# KiCad board Panel-DIY305.kicad_pcb (continued)
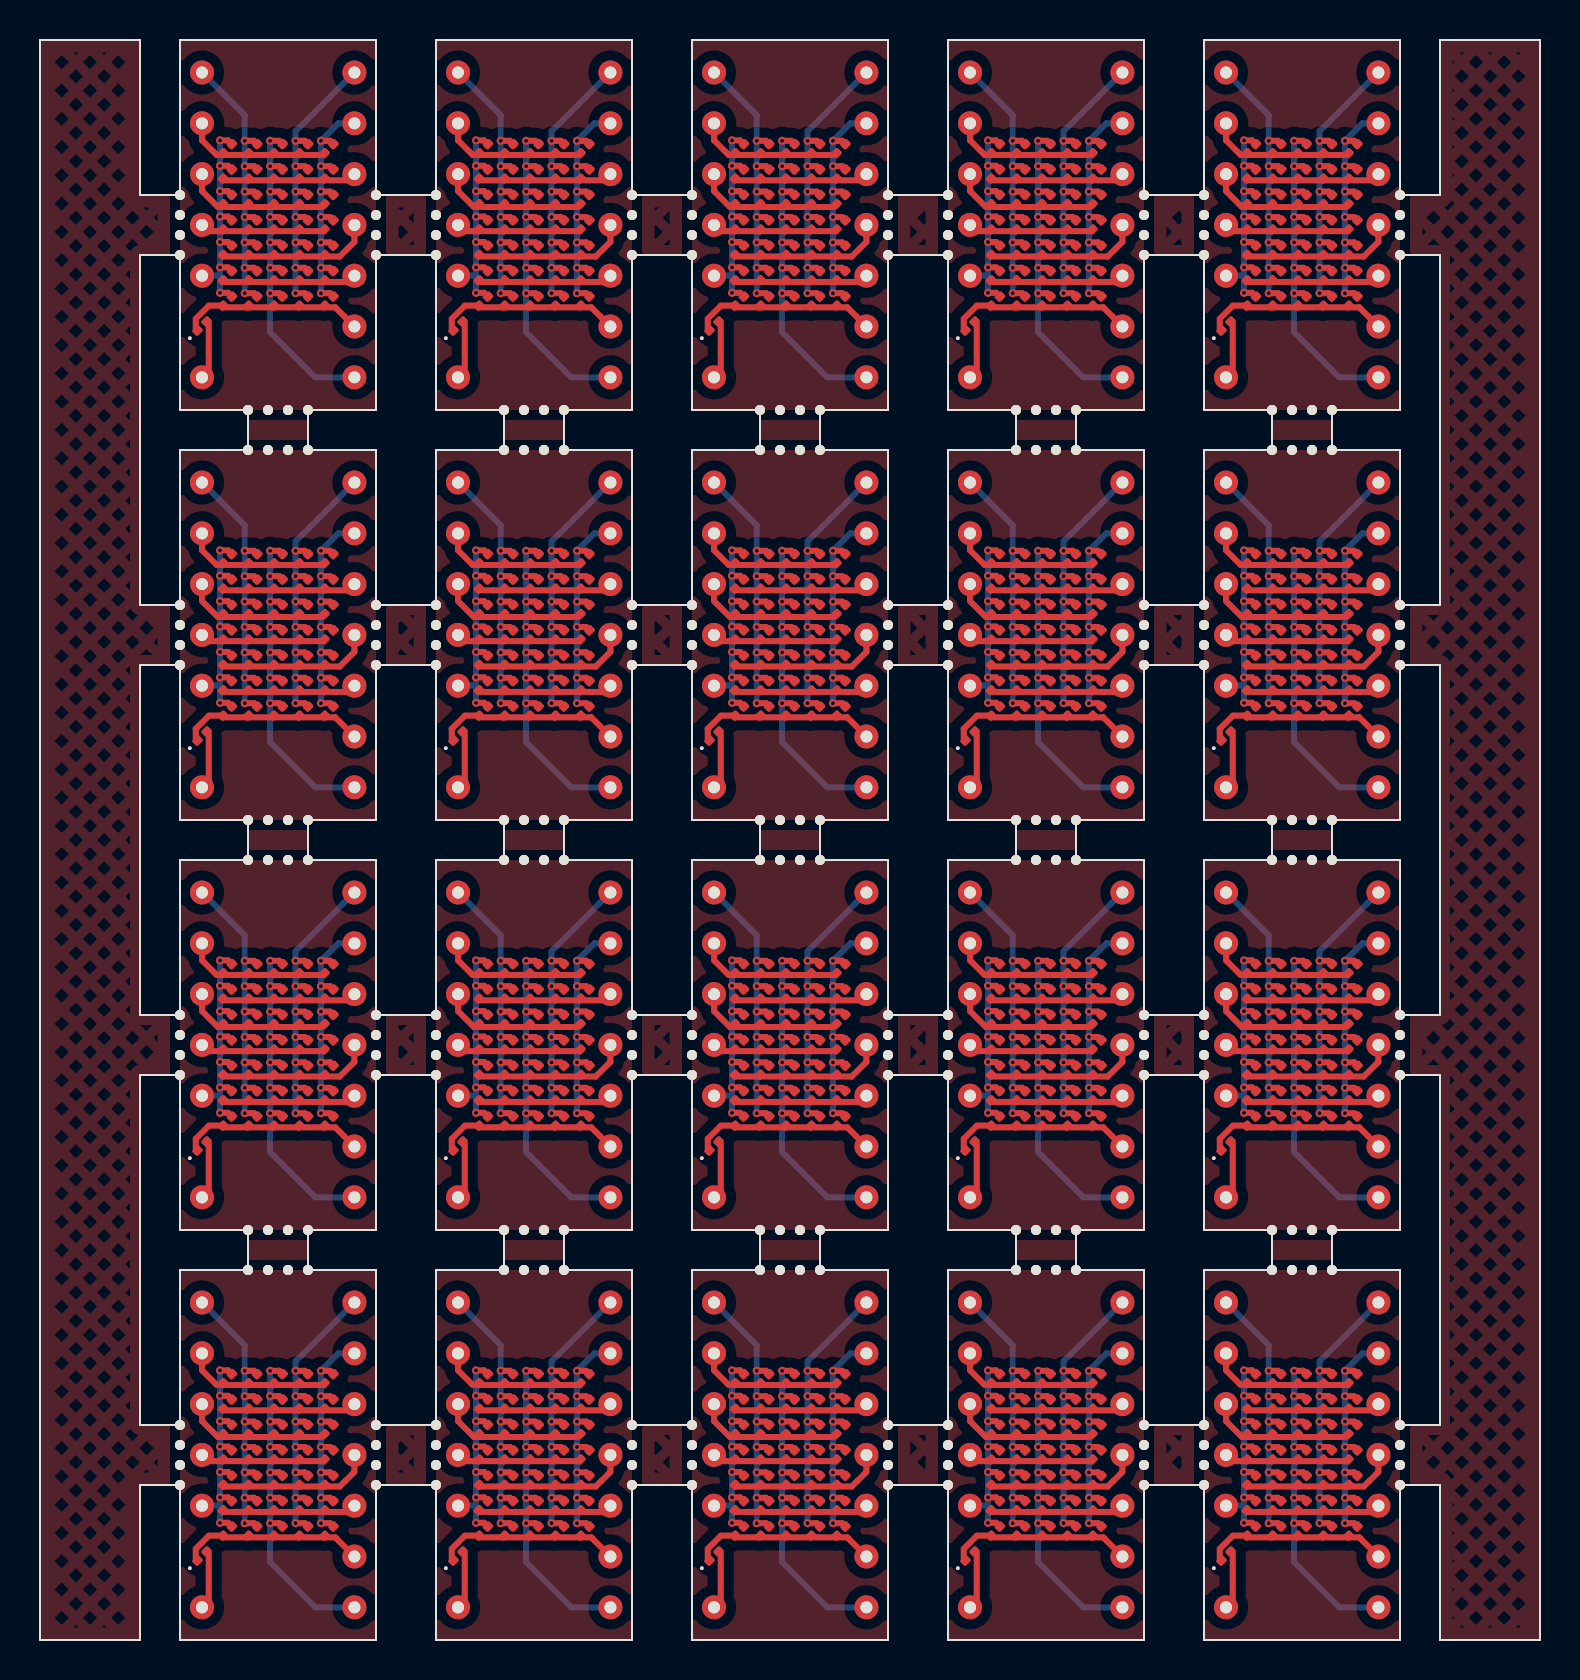
[diagram p0: board, top side]
## Placement (name value [footprint] x y rotation side) (continued)
D16#19  LED  [LED_0201_0603Metric]  24.71 52.8 45 top
D16#20  LED  [LED_0201_0603Metric]  63.11 52.8 45 top
D17  LED  [LED_0201_0603Metric]  37.51 10.53 45 top
D17#2  LED  [LED_0201_0603Metric]  11.91 51.52 45 top
D17#3  LED  [LED_0201_0603Metric]  63.11 31.03 45 top
D17#4  LED  [LED_0201_0603Metric]  24.71 51.52 45 top
D17#5  LED  [LED_0201_0603Metric]  24.71 10.53 45 top
D17#6  LED  [LED_0201_0603Metric]  24.71 72.03 45 top
D17#7  LED  [LED_0201_0603Metric]  50.31 72.03 45 top
D17#8  LED  [LED_0201_0603Metric]  50.31 10.53 45 top
D17#9  LED  [LED_0201_0603Metric]  11.91 10.53 45 top
D17#10  LED  [LED_0201_0603Metric]  37.51 51.52 45 top
D17#11  LED  [LED_0201_0603Metric]  11.91 72.03 45 top
D17#12  LED  [LED_0201_0603Metric]  63.11 10.53 45 top
D17#13  LED  [LED_0201_0603Metric]  63.11 51.52 45 top
D17#14  LED  [LED_0201_0603Metric]  37.51 72.03 45 top
D17#15  LED  [LED_0201_0603Metric]  50.31 31.03 45 top
D17#16  LED  [LED_0201_0603Metric]  24.71 31.03 45 top
D17#17  LED  [LED_0201_0603Metric]  11.91 31.03 45 top
D17#18  LED  [LED_0201_0603Metric]  50.31 51.52 45 top
D17#19  LED  [LED_0201_0603Metric]  37.51 31.03 45 top
D17#20  LED  [LED_0201_0603Metric]  63.11 72.03 45 top
D18  LED  [LED_0201_0603Metric]  37.51 9.25 45 top
D18#2  LED  [LED_0201_0603Metric]  11.91 9.25 45 top
D18#3  LED  [LED_0201_0603Metric]  24.71 50.26 45 top
D18#4  LED  [LED_0201_0603Metric]  50.31 9.25 45 top
D18#5  LED  [LED_0201_0603Metric]  11.91 70.75 45 top
D18#6  LED  [LED_0201_0603Metric]  63.11 29.75 45 top
D18#7  LED  [LED_0201_0603Metric]  37.51 50.26 45 top
D18#8  LED  [LED_0201_0603Metric]  63.11 70.75 45 top
D18#9  LED  [LED_0201_0603Metric]  24.71 9.25 45 top
D18#10  LED  [LED_0201_0603Metric]  37.51 70.75 45 top
D18#11  LED  [LED_0201_0603Metric]  50.31 29.75 45 top
D18#12  LED  [LED_0201_0603Metric]  50.31 70.75 45 top
D18#13  LED  [LED_0201_0603Metric]  63.11 9.25 45 top
D18#14  LED  [LED_0201_0603Metric]  24.71 29.75 45 top
D18#15  LED  [LED_0201_0603Metric]  63.11 50.26 45 top
D18#16  LED  [LED_0201_0603Metric]  24.71 70.75 45 top
D18#17  LED  [LED_0201_0603Metric]  11.91 50.26 45 top
D18#18  LED  [LED_0201_0603Metric]  50.31 50.26 45 top
D18#19  LED  [LED_0201_0603Metric]  11.91 29.75 45 top
D18#20  LED  [LED_0201_0603Metric]  37.51 29.75 45 top
D19  LED  [LED_0201_0603Metric]  37.51 7.98 45 top
D19#2  LED  [LED_0201_0603Metric]  50.31 28.48 45 top
D19#3  LED  [LED_0201_0603Metric]  50.31 69.48 45 top
D19#4  LED  [LED_0201_0603Metric]  24.71 28.48 45 top
D19#5  LED  [LED_0201_0603Metric]  63.11 28.48 45 top
D19#6  LED  [LED_0201_0603Metric]  37.51 69.48 45 top
D19#7  LED  [LED_0201_0603Metric]  11.91 28.48 45 top
D19#8  LED  [LED_0201_0603Metric]  63.11 48.98 45 top
D19#9  LED  [LED_0201_0603Metric]  63.11 69.48 45 top
D19#10  LED  [LED_0201_0603Metric]  11.91 48.98 45 top
D19#11  LED  [LED_0201_0603Metric]  24.71 7.98 45 top
D19#12  LED  [LED_0201_0603Metric]  50.31 48.98 45 top
D19#13  LED  [LED_0201_0603Metric]  50.31 7.98 45 top
D19#14  LED  [LED_0201_0603Metric]  24.71 48.98 45 top
D19#15  LED  [LED_0201_0603Metric]  11.91 69.48 45 top
D19#16  LED  [LED_0201_0603Metric]  11.91 7.98 45 top
D19#17  LED  [LED_0201_0603Metric]  37.51 48.98 45 top
D19#18  LED  [LED_0201_0603Metric]  24.71 69.48 45 top
D19#19  LED  [LED_0201_0603Metric]  63.11 7.98 45 top
D19#20  LED  [LED_0201_0603Metric]  37.51 28.48 45 top
D20  LED  [LED_0201_0603Metric]  50.31 6.72 45 top
D20#2  LED  [LED_0201_0603Metric]  11.91 68.22 45 top
D20#3  LED  [LED_0201_0603Metric]  37.51 68.22 45 top
D20#4  LED  [LED_0201_0603Metric]  24.71 6.72 45 top
D20#5  LED  [LED_0201_0603Metric]  50.31 68.22 45 top
D20#6  LED  [LED_0201_0603Metric]  11.91 47.72 45 top
D20#7  LED  [LED_0201_0603Metric]  50.31 47.72 45 top
D20#8  LED  [LED_0201_0603Metric]  50.31 27.22 45 top
D20#9  LED  [LED_0201_0603Metric]  11.91 6.72 45 top
D20#10  LED  [LED_0201_0603Metric]  63.11 27.22 45 top
D20#11  LED  [LED_0201_0603Metric]  63.11 6.72 45 top
D20#12  LED  [LED_0201_0603Metric]  63.11 68.22 45 top
D20#13  LED  [LED_0201_0603Metric]  37.51 47.72 45 top
D20#14  LED  [LED_0201_0603Metric]  63.11 47.72 45 top
D20#15  LED  [LED_0201_0603Metric]  37.51 6.72 45 top
D20#16  LED  [LED_0201_0603Metric]  11.91 27.22 45 top
D20#17  LED  [LED_0201_0603Metric]  24.71 68.22 45 top
D20#18  LED  [LED_0201_0603Metric]  24.71 47.72 45 top
D20#19  LED  [LED_0201_0603Metric]  24.71 27.22 45 top
D20#20  LED  [LED_0201_0603Metric]  37.51 27.22 45 top
D21  LED  [LED_0201_0603Metric]  37.51 66.94 45 top
D21#2  LED  [LED_0201_0603Metric]  24.71 5.44 45 top
D21#3  LED  [LED_0201_0603Metric]  11.91 25.94 45 top
D21#4  LED  [LED_0201_0603Metric]  50.31 25.94 45 top
D21#5  LED  [LED_0201_0603Metric]  63.11 46.45 45 top
D21#6  LED  [LED_0201_0603Metric]  50.31 46.45 45 top
D21#7  LED  [LED_0201_0603Metric]  24.71 66.94 45 top
D21#8  LED  [LED_0201_0603Metric]  11.91 66.94 45 top
D21#9  LED  [LED_0201_0603Metric]  24.71 46.45 45 top
D21#10  LED  [LED_0201_0603Metric]  50.31 66.94 45 top
D21#11  LED  [LED_0201_0603Metric]  11.91 46.45 45 top
D21#12  LED  [LED_0201_0603Metric]  37.51 25.94 45 top
D21#13  LED  [LED_0201_0603Metric]  37.51 5.44 45 top
D21#14  LED  [LED_0201_0603Metric]  50.31 5.44 45 top
D21#15  LED  [LED_0201_0603Metric]  11.91 5.44 45 top
D21#16  LED  [LED_0201_0603Metric]  63.11 25.94 45 top
D21#17  LED  [LED_0201_0603Metric]  37.51 46.45 45 top
D21#18  LED  [LED_0201_0603Metric]  24.71 25.94 45 top
D21#19  LED  [LED_0201_0603Metric]  63.11 5.44 45 top
D21#20  LED  [LED_0201_0603Metric]  63.11 66.94 45 top
D22  LED  [LED_0201_0603Metric]  38.78 33.56 45 top
D22#2  LED  [LED_0201_0603Metric]  13.18 54.06 45 top
D22#3  LED  [LED_0201_0603Metric]  25.98 54.06 45 top
D22#4  LED  [LED_0201_0603Metric]  13.18 13.06 45 top
D22#5  LED  [LED_0201_0603Metric]  25.98 74.56 45 top
D22#6  LED  [LED_0201_0603Metric]  38.78 13.06 45 top
D22#7  LED  [LED_0201_0603Metric]  25.98 33.56 45 top
D22#8  LED  [LED_0201_0603Metric]  13.18 33.56 45 top
D22#9  LED  [LED_0201_0603Metric]  25.98 13.06 45 top
D22#10  LED  [LED_0201_0603Metric]  51.58 74.56 45 top
D22#11  LED  [LED_0201_0603Metric]  64.38 74.56 45 top
D22#12  LED  [LED_0201_0603Metric]  64.38 33.56 45 top
D22#13  LED  [LED_0201_0603Metric]  38.78 54.06 45 top
D22#14  LED  [LED_0201_0603Metric]  51.58 13.06 45 top
D22#15  LED  [LED_0201_0603Metric]  51.58 33.56 45 top
D22#16  LED  [LED_0201_0603Metric]  13.18 74.56 45 top
D22#17  LED  [LED_0201_0603Metric]  51.58 54.06 45 top
D22#18  LED  [LED_0201_0603Metric]  38.78 74.56 45 top
D22#19  LED  [LED_0201_0603Metric]  64.38 54.06 45 top
D22#20  LED  [LED_0201_0603Metric]  64.38 13.06 45 top
D23  LED  [LED_0201_0603Metric]  51.58 32.3 45 top
D23#2  LED  [LED_0201_0603Metric]  64.38 52.8 45 top
D23#3  LED  [LED_0201_0603Metric]  13.18 32.3 45 top
D23#4  LED  [LED_0201_0603Metric]  13.18 52.8 45 top
D23#5  LED  [LED_0201_0603Metric]  25.98 73.3 45 top
D23#6  LED  [LED_0201_0603Metric]  25.98 11.8 45 top
D23#7  LED  [LED_0201_0603Metric]  64.38 32.3 45 top
D23#8  LED  [LED_0201_0603Metric]  64.38 73.3 45 top
D23#9  LED  [LED_0201_0603Metric]  13.18 73.3 45 top
D23#10  LED  [LED_0201_0603Metric]  13.18 11.8 45 top
D23#11  LED  [LED_0201_0603Metric]  51.58 73.3 45 top
D23#12  LED  [LED_0201_0603Metric]  51.58 11.8 45 top
D23#13  LED  [LED_0201_0603Metric]  38.78 32.3 45 top
D23#14  LED  [LED_0201_0603Metric]  38.78 52.8 45 top
D23#15  LED  [LED_0201_0603Metric]  25.98 32.3 45 top
D23#16  LED  [LED_0201_0603Metric]  51.58 52.8 45 top
D23#17  LED  [LED_0201_0603Metric]  25.98 52.8 45 top
D23#18  LED  [LED_0201_0603Metric]  38.78 73.3 45 top
D23#19  LED  [LED_0201_0603Metric]  38.78 11.8 45 top
D23#20  LED  [LED_0201_0603Metric]  64.38 11.8 45 top
D24  LED  [LED_0201_0603Metric]  13.18 51.52 45 top
D24#2  LED  [LED_0201_0603Metric]  25.98 51.52 45 top
D24#3  LED  [LED_0201_0603Metric]  13.18 72.03 45 top
D24#4  LED  [LED_0201_0603Metric]  64.38 72.03 45 top
D24#5  LED  [LED_0201_0603Metric]  51.58 31.03 45 top
D24#6  LED  [LED_0201_0603Metric]  51.58 10.53 45 top
D24#7  LED  [LED_0201_0603Metric]  64.38 31.03 45 top
D24#8  LED  [LED_0201_0603Metric]  13.18 31.03 45 top
D24#9  LED  [LED_0201_0603Metric]  64.38 10.53 45 top
D24#10  LED  [LED_0201_0603Metric]  38.78 51.52 45 top
D24#11  LED  [LED_0201_0603Metric]  25.98 31.03 45 top
D24#12  LED  [LED_0201_0603Metric]  25.98 72.03 45 top
D24#13  LED  [LED_0201_0603Metric]  38.78 31.03 45 top
D24#14  LED  [LED_0201_0603Metric]  25.98 10.53 45 top
D24#15  LED  [LED_0201_0603Metric]  38.78 10.53 45 top
D24#16  LED  [LED_0201_0603Metric]  51.58 51.52 45 top
D24#17  LED  [LED_0201_0603Metric]  38.78 72.03 45 top
D24#18  LED  [LED_0201_0603Metric]  51.58 72.03 45 top
D24#19  LED  [LED_0201_0603Metric]  13.18 10.53 45 top
D24#20  LED  [LED_0201_0603Metric]  64.38 51.52 45 top
D25  LED  [LED_0201_0603Metric]  13.18 9.25 45 top
D25#2  LED  [LED_0201_0603Metric]  64.38 70.75 45 top
D25#3  LED  [LED_0201_0603Metric]  38.78 29.75 45 top
D25#4  LED  [LED_0201_0603Metric]  64.38 50.26 45 top
D25#5  LED  [LED_0201_0603Metric]  13.18 50.26 45 top
D25#6  LED  [LED_0201_0603Metric]  13.18 29.75 45 top
D25#7  LED  [LED_0201_0603Metric]  51.58 29.75 45 top
D25#8  LED  [LED_0201_0603Metric]  38.78 50.26 45 top
D25#9  LED  [LED_0201_0603Metric]  51.58 9.25 45 top
D25#10  LED  [LED_0201_0603Metric]  51.58 50.26 45 top
D25#11  LED  [LED_0201_0603Metric]  64.38 9.25 45 top
D25#12  LED  [LED_0201_0603Metric]  25.98 9.25 45 top
D25#13  LED  [LED_0201_0603Metric]  38.78 70.75 45 top
D25#14  LED  [LED_0201_0603Metric]  25.98 70.75 45 top
D25#15  LED  [LED_0201_0603Metric]  64.38 29.75 45 top
D25#16  LED  [LED_0201_0603Metric]  25.98 29.75 45 top
D25#17  LED  [LED_0201_0603Metric]  51.58 70.75 45 top
D25#18  LED  [LED_0201_0603Metric]  13.18 70.75 45 top
D25#19  LED  [LED_0201_0603Metric]  38.78 9.25 45 top
D25#20  LED  [LED_0201_0603Metric]  25.98 50.26 45 top
D26  LED  [LED_0201_0603Metric]  64.38 48.98 45 top
D26#2  LED  [LED_0201_0603Metric]  25.98 69.48 45 top
D26#3  LED  [LED_0201_0603Metric]  51.58 7.98 45 top
D26#4  LED  [LED_0201_0603Metric]  13.18 48.98 45 top
D26#5  LED  [LED_0201_0603Metric]  51.58 69.48 45 top
D26#6  LED  [LED_0201_0603Metric]  64.38 7.98 45 top
D26#7  LED  [LED_0201_0603Metric]  13.18 28.48 45 top
D26#8  LED  [LED_0201_0603Metric]  25.98 48.98 45 top
D26#9  LED  [LED_0201_0603Metric]  38.78 48.98 45 top
D26#10  LED  [LED_0201_0603Metric]  38.78 7.98 45 top
D26#11  LED  [LED_0201_0603Metric]  64.38 28.48 45 top
D26#12  LED  [LED_0201_0603Metric]  51.58 28.48 45 top
D26#13  LED  [LED_0201_0603Metric]  51.58 48.98 45 top
D26#14  LED  [LED_0201_0603Metric]  38.78 28.48 45 top
D26#15  LED  [LED_0201_0603Metric]  64.38 69.48 45 top
D26#16  LED  [LED_0201_0603Metric]  13.18 69.48 45 top
D26#17  LED  [LED_0201_0603Metric]  38.78 69.48 45 top
D26#18  LED  [LED_0201_0603Metric]  13.18 7.98 45 top
D26#19  LED  [LED_0201_0603Metric]  25.98 28.48 45 top
D26#20  LED  [LED_0201_0603Metric]  25.98 7.98 45 top
D27  LED  [LED_0201_0603Metric]  38.78 6.72 45 top
D27#2  LED  [LED_0201_0603Metric]  51.58 27.22 45 top
D27#3  LED  [LED_0201_0603Metric]  51.58 47.72 45 top
D27#4  LED  [LED_0201_0603Metric]  13.18 6.72 45 top
D27#5  LED  [LED_0201_0603Metric]  38.78 47.72 45 top
D27#6  LED  [LED_0201_0603Metric]  25.98 47.72 45 top
D27#7  LED  [LED_0201_0603Metric]  51.58 68.22 45 top
D27#8  LED  [LED_0201_0603Metric]  38.78 27.22 45 top
D27#9  LED  [LED_0201_0603Metric]  25.98 27.22 45 top
D27#10  LED  [LED_0201_0603Metric]  64.38 27.22 45 top
D27#11  LED  [LED_0201_0603Metric]  25.98 68.22 45 top
D27#12  LED  [LED_0201_0603Metric]  51.58 6.72 45 top
D27#13  LED  [LED_0201_0603Metric]  64.38 47.72 45 top
D27#14  LED  [LED_0201_0603Metric]  13.18 47.72 45 top
D27#15  LED  [LED_0201_0603Metric]  25.98 6.72 45 top
D27#16  LED  [LED_0201_0603Metric]  64.38 6.72 45 top
D27#17  LED  [LED_0201_0603Metric]  64.38 68.22 45 top
D27#18  LED  [LED_0201_0603Metric]  13.18 27.22 45 top
D27#19  LED  [LED_0201_0603Metric]  13.18 68.22 45 top
D27#20  LED  [LED_0201_0603Metric]  38.78 68.22 45 top
D28  LED  [LED_0201_0603Metric]  64.38 46.45 45 top
D28#2  LED  [LED_0201_0603Metric]  13.18 5.44 45 top
D28#3  LED  [LED_0201_0603Metric]  25.98 46.45 45 top
D28#4  LED  [LED_0201_0603Metric]  38.78 25.94 45 top
D28#5  LED  [LED_0201_0603Metric]  38.78 66.94 45 top
D28#6  LED  [LED_0201_0603Metric]  64.38 66.94 45 top
D28#7  LED  [LED_0201_0603Metric]  25.98 5.44 45 top
D28#8  LED  [LED_0201_0603Metric]  13.18 46.45 45 top
D28#9  LED  [LED_0201_0603Metric]  64.38 5.44 45 top
D28#10  LED  [LED_0201_0603Metric]  64.38 25.94 45 top
D28#11  LED  [LED_0201_0603Metric]  13.18 66.94 45 top
D28#12  LED  [LED_0201_0603Metric]  13.18 25.94 45 top
D28#13  LED  [LED_0201_0603Metric]  25.98 66.94 45 top
D28#14  LED  [LED_0201_0603Metric]  38.78 5.44 45 top
D28#15  LED  [LED_0201_0603Metric]  51.58 66.94 45 top
D28#16  LED  [LED_0201_0603Metric]  51.58 25.94 45 top
D28#17  LED  [LED_0201_0603Metric]  51.58 46.45 45 top
D28#18  LED  [LED_0201_0603Metric]  51.58 5.44 45 top
D28#19  LED  [LED_0201_0603Metric]  38.78 46.45 45 top
D28#20  LED  [LED_0201_0603Metric]  25.98 25.94 45 top
D29  LED  [LED_0201_0603Metric]  27.25 74.56 45 top
D29#2  LED  [LED_0201_0603Metric]  14.45 54.06 45 top
D29#3  LED  [LED_0201_0603Metric]  65.65 74.56 45 top
D29#4  LED  [LED_0201_0603Metric]  65.65 33.56 45 top
D29#5  LED  [LED_0201_0603Metric]  52.85 74.56 45 top
D29#6  LED  [LED_0201_0603Metric]  14.45 33.56 45 top
D29#7  LED  [LED_0201_0603Metric]  40.05 33.56 45 top
D29#8  LED  [LED_0201_0603Metric]  65.65 13.06 45 top
D29#9  LED  [LED_0201_0603Metric]  27.25 33.56 45 top
D29#10  LED  [LED_0201_0603Metric]  40.05 54.06 45 top
D29#11  LED  [LED_0201_0603Metric]  52.85 33.56 45 top
D29#12  LED  [LED_0201_0603Metric]  14.45 13.06 45 top
D29#13  LED  [LED_0201_0603Metric]  27.25 13.06 45 top
D29#14  LED  [LED_0201_0603Metric]  52.85 13.06 45 top
D29#15  LED  [LED_0201_0603Metric]  52.85 54.06 45 top
D29#16  LED  [LED_0201_0603Metric]  65.65 54.06 45 top
D29#17  LED  [LED_0201_0603Metric]  27.25 54.06 45 top
D29#18  LED  [LED_0201_0603Metric]  14.45 74.56 45 top
D29#19  LED  [LED_0201_0603Metric]  40.05 13.06 45 top
D29#20  LED  [LED_0201_0603Metric]  40.05 74.56 45 top
D30  LED  [LED_0201_0603Metric]  27.25 73.3 45 top
D30#2  LED  [LED_0201_0603Metric]  27.25 11.8 45 top
D30#3  LED  [LED_0201_0603Metric]  65.65 32.3 45 top
D30#4  LED  [LED_0201_0603Metric]  52.85 32.3 45 top
D30#5  LED  [LED_0201_0603Metric]  40.05 52.8 45 top
D30#6  LED  [LED_0201_0603Metric]  52.85 73.3 45 top
D30#7  LED  [LED_0201_0603Metric]  40.05 73.3 45 top
D30#8  LED  [LED_0201_0603Metric]  27.25 52.8 45 top
D30#9  LED  [LED_0201_0603Metric]  27.25 32.3 45 top
D30#10  LED  [LED_0201_0603Metric]  14.45 52.8 45 top
D30#11  LED  [LED_0201_0603Metric]  52.85 11.8 45 top
D30#12  LED  [LED_0201_0603Metric]  40.05 32.3 45 top
D30#13  LED  [LED_0201_0603Metric]  14.45 32.3 45 top
D30#14  LED  [LED_0201_0603Metric]  14.45 73.3 45 top
D30#15  LED  [LED_0201_0603Metric]  65.65 73.3 45 top
D30#16  LED  [LED_0201_0603Metric]  40.05 11.8 45 top
D30#17  LED  [LED_0201_0603Metric]  14.45 11.8 45 top
D30#18  LED  [LED_0201_0603Metric]  52.85 52.8 45 top
D30#19  LED  [LED_0201_0603Metric]  65.65 11.8 45 top
D30#20  LED  [LED_0201_0603Metric]  65.65 52.8 45 top
D31  LED  [LED_0201_0603Metric]  52.85 10.53 45 top
D31#2  LED  [LED_0201_0603Metric]  27.25 51.52 45 top
D31#3  LED  [LED_0201_0603Metric]  52.85 31.03 45 top
D31#4  LED  [LED_0201_0603Metric]  14.45 72.03 45 top
D31#5  LED  [LED_0201_0603Metric]  40.05 31.03 45 top
D31#6  LED  [LED_0201_0603Metric]  65.65 31.03 45 top
D31#7  LED  [LED_0201_0603Metric]  52.85 72.03 45 top
D31#8  LED  [LED_0201_0603Metric]  40.05 51.52 45 top
D31#9  LED  [LED_0201_0603Metric]  40.05 72.03 45 top
D31#10  LED  [LED_0201_0603Metric]  14.45 31.03 45 top
D31#11  LED  [LED_0201_0603Metric]  27.25 31.03 45 top
D31#12  LED  [LED_0201_0603Metric]  65.65 72.03 45 top
D31#13  LED  [LED_0201_0603Metric]  14.45 10.53 45 top
D31#14  LED  [LED_0201_0603Metric]  65.65 51.52 45 top
D31#15  LED  [LED_0201_0603Metric]  52.85 51.52 45 top
D31#16  LED  [LED_0201_0603Metric]  27.25 72.03 45 top
D31#17  LED  [LED_0201_0603Metric]  40.05 10.53 45 top
D31#18  LED  [LED_0201_0603Metric]  65.65 10.53 45 top
D31#19  LED  [LED_0201_0603Metric]  27.25 10.53 45 top
D31#20  LED  [LED_0201_0603Metric]  14.45 51.52 45 top
D32  LED  [LED_0201_0603Metric]  65.65 9.25 45 top
D32#2  LED  [LED_0201_0603Metric]  14.45 29.75 45 top
D32#3  LED  [LED_0201_0603Metric]  14.45 50.26 45 top
D32#4  LED  [LED_0201_0603Metric]  52.85 50.26 45 top
D32#5  LED  [LED_0201_0603Metric]  52.85 70.75 45 top
D32#6  LED  [LED_0201_0603Metric]  27.25 70.75 45 top
D32#7  LED  [LED_0201_0603Metric]  14.45 9.25 45 top
D32#8  LED  [LED_0201_0603Metric]  65.65 70.75 45 top
D32#9  LED  [LED_0201_0603Metric]  65.65 50.26 45 top
D32#10  LED  [LED_0201_0603Metric]  14.45 70.75 45 top
D32#11  LED  [LED_0201_0603Metric]  52.85 29.75 45 top
D32#12  LED  [LED_0201_0603Metric]  40.05 50.26 45 top
D32#13  LED  [LED_0201_0603Metric]  40.05 9.25 45 top
D32#14  LED  [LED_0201_0603Metric]  52.85 9.25 45 top
D32#15  LED  [LED_0201_0603Metric]  40.05 70.75 45 top
D32#16  LED  [LED_0201_0603Metric]  27.25 9.25 45 top
D32#17  LED  [LED_0201_0603Metric]  65.65 29.75 45 top
D32#18  LED  [LED_0201_0603Metric]  27.25 29.75 45 top
D32#19  LED  [LED_0201_0603Metric]  40.05 29.75 45 top
D32#20  LED  [LED_0201_0603Metric]  27.25 50.26 45 top
D33  LED  [LED_0201_0603Metric]  65.65 48.98 45 top
D33#2  LED  [LED_0201_0603Metric]  52.85 28.48 45 top
D33#3  LED  [LED_0201_0603Metric]  52.85 69.48 45 top
D33#4  LED  [LED_0201_0603Metric]  52.85 48.98 45 top
D33#5  LED  [LED_0201_0603Metric]  27.25 28.48 45 top
D33#6  LED  [LED_0201_0603Metric]  40.05 7.98 45 top
D33#7  LED  [LED_0201_0603Metric]  40.05 48.98 45 top
D33#8  LED  [LED_0201_0603Metric]  14.45 69.48 45 top
D33#9  LED  [LED_0201_0603Metric]  14.45 28.48 45 top
D33#10  LED  [LED_0201_0603Metric]  40.05 28.48 45 top
D33#11  LED  [LED_0201_0603Metric]  65.65 28.48 45 top
D33#12  LED  [LED_0201_0603Metric]  14.45 48.98 45 top
D33#13  LED  [LED_0201_0603Metric]  27.25 48.98 45 top
D33#14  LED  [LED_0201_0603Metric]  65.65 7.98 45 top
D33#15  LED  [LED_0201_0603Metric]  40.05 69.48 45 top
D33#16  LED  [LED_0201_0603Metric]  27.25 69.48 45 top
D33#17  LED  [LED_0201_0603Metric]  65.65 69.48 45 top
D33#18  LED  [LED_0201_0603Metric]  52.85 7.98 45 top
D33#19  LED  [LED_0201_0603Metric]  14.45 7.98 45 top
D33#20  LED  [LED_0201_0603Metric]  27.25 7.98 45 top
D34  LED  [LED_0201_0603Metric]  40.05 6.72 45 top
D34#2  LED  [LED_0201_0603Metric]  40.05 47.72 45 top
D34#3  LED  [LED_0201_0603Metric]  14.45 6.72 45 top
D34#4  LED  [LED_0201_0603Metric]  27.25 68.22 45 top
D34#5  LED  [LED_0201_0603Metric]  27.25 6.72 45 top
D34#6  LED  [LED_0201_0603Metric]  27.25 47.72 45 top
D34#7  LED  [LED_0201_0603Metric]  65.65 27.22 45 top
D34#8  LED  [LED_0201_0603Metric]  52.85 6.72 45 top
D34#9  LED  [LED_0201_0603Metric]  52.85 68.22 45 top
D34#10  LED  [LED_0201_0603Metric]  40.05 68.22 45 top
D34#11  LED  [LED_0201_0603Metric]  65.65 6.72 45 top
D34#12  LED  [LED_0201_0603Metric]  52.85 27.22 45 top
D34#13  LED  [LED_0201_0603Metric]  27.25 27.22 45 top
D34#14  LED  [LED_0201_0603Metric]  65.65 68.22 45 top
D34#15  LED  [LED_0201_0603Metric]  40.05 27.22 45 top
D34#16  LED  [LED_0201_0603Metric]  52.85 47.72 45 top
D34#17  LED  [LED_0201_0603Metric]  65.65 47.72 45 top
D34#18  LED  [LED_0201_0603Metric]  14.45 27.22 45 top
D34#19  LED  [LED_0201_0603Metric]  14.45 68.22 45 top
D34#20  LED  [LED_0201_0603Metric]  14.45 47.72 45 top
D35  LED  [LED_0201_0603Metric]  27.25 25.94 45 top
D35#2  LED  [LED_0201_0603Metric]  14.45 66.94 45 top
D35#3  LED  [LED_0201_0603Metric]  65.65 5.44 45 top
D35#4  LED  [LED_0201_0603Metric]  52.85 66.94 45 top
D35#5  LED  [LED_0201_0603Metric]  52.85 46.45 45 top
D35#6  LED  [LED_0201_0603Metric]  27.25 66.94 45 top
D35#7  LED  [LED_0201_0603Metric]  27.25 5.44 45 top
D35#8  LED  [LED_0201_0603Metric]  27.25 46.45 45 top
D35#9  LED  [LED_0201_0603Metric]  52.85 5.44 45 top
D35#10  LED  [LED_0201_0603Metric]  40.05 46.45 45 top
D35#11  LED  [LED_0201_0603Metric]  65.65 46.45 45 top
D35#12  LED  [LED_0201_0603Metric]  65.65 25.94 45 top
D35#13  LED  [LED_0201_0603Metric]  65.65 66.94 45 top
D35#14  LED  [LED_0201_0603Metric]  14.45 46.45 45 top
D35#15  LED  [LED_0201_0603Metric]  14.45 25.94 45 top
D35#16  LED  [LED_0201_0603Metric]  40.05 25.94 45 top
D35#17  LED  [LED_0201_0603Metric]  14.45 5.44 45 top
D35#18  LED  [LED_0201_0603Metric]  40.05 66.94 45 top
D35#19  LED  [LED_0201_0603Metric]  40.05 5.44 45 top
D35#20  LED  [LED_0201_0603Metric]  52.85 25.94 45 top
D36  LED  [LED_0201_0603Metric]  59.3 4.2 45 top
D36#2  LED  [LED_0201_0603Metric]  46.5 45.2 45 top
D36#3  LED  [LED_0201_0603Metric]  8.1 4.2 45 top
D36#4  LED  [LED_0201_0603Metric]  59.3 65.7 45 top
D36#5  LED  [LED_0201_0603Metric]  20.9 24.7 45 top
D36#6  LED  [LED_0201_0603Metric]  33.7 24.7 45 top
D36#7  LED  [LED_0201_0603Metric]  46.5 24.7 45 top
D36#8  LED  [LED_0201_0603Metric]  59.3 24.7 45 top
D36#9  LED  [LED_0201_0603Metric]  46.5 4.2 45 top
D36#10  LED  [LED_0201_0603Metric]  33.7 65.7 45 top
D36#11  LED  [LED_0201_0603Metric]  8.1 45.2 45 top
D36#12  LED  [LED_0201_0603Metric]  33.7 45.2 45 top
D36#13  LED  [LED_0201_0603Metric]  59.3 45.2 45 top
D36#14  LED  [LED_0201_0603Metric]  20.9 4.2 45 top
D36#15  LED  [LED_0201_0603Metric]  8.1 65.7 45 top
D36#16  LED  [LED_0201_0603Metric]  46.5 65.7 45 top
D36#17  LED  [LED_0201_0603Metric]  20.9 45.2 45 top
D36#18  LED  [LED_0201_0603Metric]  20.9 65.7 45 top
D36#19  LED  [LED_0201_0603Metric]  8.1 24.7 45 top
D36#20  LED  [LED_0201_0603Metric]  33.7 4.2 45 top
G***  -  [LOGO]  50.31 70.75 90 bottom
G***#2  -  [LOGO]  63.11 9.25 90 bottom
G***#3  -  [LOGO]  11.91 50.26 90 bottom
G***#4  -  [LOGO]  24.71 9.25 90 bottom
G***#5  -  [LOGO]  37.51 50.26 90 bottom
G***#6  -  [LOGO]  11.91 29.75 90 bottom
G***#7  -  [LOGO]  24.71 50.26 90 bottom
G***#8  -  [LOGO]  37.51 29.75 90 bottom
G***#9  -  [LOGO]  37.51 70.75 90 bottom
G***#10  -  [LOGO]  50.31 50.26 90 bottom
G***#11  -  [LOGO]  63.11 70.75 90 bottom
G***#12  -  [LOGO]  11.91 9.25 90 bottom
G***#13  -  [LOGO]  11.91 70.75 90 bottom
G***#14  -  [LOGO]  37.51 9.25 90 bottom
G***#15  -  [LOGO]  50.31 9.25 90 bottom
G***#16  -  [LOGO]  50.31 29.75 90 bottom
G***#17  -  [LOGO]  63.11 50.26 90 bottom
G***#18  -  [LOGO]  24.71 70.75 90 bottom
G***#19  -  [LOGO]  63.11 29.75 90 bottom
G***#20  -  [LOGO]  24.71 29.75 90 bottom
J4  Conn_02x07_Counter_Clockwise  [DIP-14_W7.62mm]  33.7 37.38 0 top
J4#2  Conn_02x07_Counter_Clockwise  [DIP-14_W7.62mm]  59.3 37.38 0 top
J4#3  Conn_02x07_Counter_Clockwise  [DIP-14_W7.62mm]  8.1 37.38 0 top
J4#4  Conn_02x07_Counter_Clockwise  [DIP-14_W7.62mm]  20.9 16.88 0 top
J4#5  Conn_02x07_Counter_Clockwise  [DIP-14_W7.62mm]  46.5 37.38 0 top
J4#6  Conn_02x07_Counter_Clockwise  [DIP-14_W7.62mm]  46.5 16.88 0 top
J4#7  Conn_02x07_Counter_Clockwise  [DIP-14_W7.62mm]  46.5 78.38 0 top
J4#8  Conn_02x07_Counter_Clockwise  [DIP-14_W7.62mm]  46.5 57.88 0 top
J4#9  Conn_02x07_Counter_Clockwise  [DIP-14_W7.62mm]  59.3 78.38 0 top
J4#10  Conn_02x07_Counter_Clockwise  [DIP-14_W7.62mm]  8.1 16.88 0 top
J4#11  Conn_02x07_Counter_Clockwise  [DIP-14_W7.62mm]  59.3 57.88 0 top
J4#12  Conn_02x07_Counter_Clockwise  [DIP-14_W7.62mm]  20.9 37.38 0 top
J4#13  Conn_02x07_Counter_Clockwise  [DIP-14_W7.62mm]  33.7 16.88 0 top
J4#14  Conn_02x07_Counter_Clockwise  [DIP-14_W7.62mm]  59.3 16.88 0 top
J4#15  Conn_02x07_Counter_Clockwise  [DIP-14_W7.62mm]  8.1 78.38 0 top
J4#16  Conn_02x07_Counter_Clockwise  [DIP-14_W7.62mm]  33.7 57.88 0 top
J4#17  Conn_02x07_Counter_Clockwise  [DIP-14_W7.62mm]  8.1 57.88 0 top
J4#18  Conn_02x07_Counter_Clockwise  [DIP-14_W7.62mm]  20.9 57.88 0 top
J4#19  Conn_02x07_Counter_Clockwise  [DIP-14_W7.62mm]  20.9 78.38 0 top
J4#20  Conn_02x07_Counter_Clockwise  [DIP-14_W7.62mm]  33.7 78.38 0 top
REF**  -  [NPTH]  62.6 20.5 0 top
REF**#2  -  [NPTH]  45.4 31.25 0 top
REF**#3  -  [NPTH]  32.6 51.75 0 top
REF**#4  -  [NPTH]  12.4 18.5 0 top
REF**#5  -  [NPTH]  39 41 0 top
REF**#6  -  [NPTH]  42.4 8.75 0 top
REF**#7  -  [NPTH]  29.6 50.75 0 top
REF**#8  -  [NPTH]  29.6 31.25 0 top
REF**#9  -  [NPTH]  68 30.25 0 top
REF**#10  -  [NPTH]  51.8 39 0 top
REF**#11  -  [NPTH]  12.4 61.5 0 top
REF**#12  -  [NPTH]  7 49.75 0 top
REF**#13  -  [NPTH]  45.4 72.25 0 top
REF**#14  -  [NPTH]  63.6 20.5 0 top
REF**#15  -  [NPTH]  36 39 0 top
REF**#16  -  [NPTH]  19.8 30.25 0 top
REF**#17  -  [NPTH]  19.8 48.75 0 top
REF**#18  -  [NPTH]  68 29.25 0 top
REF**#19  -  [NPTH]  61.6 41 0 top
REF**#20  -  [NPTH]  55.2 70.25 0 top
REF**#21  -  [NPTH]  19.8 51.75 0 top
REF**#22  -  [NPTH]  29.6 28.25 0 top
REF**#23  -  [NPTH]  48.8 39 0 top
REF**#24  -  [NPTH]  7 71.25 0 top
REF**#25  -  [NPTH]  42.4 10.75 0 top
REF**#26  -  [NPTH]  29.6 48.75 0 top
REF**#27  -  [NPTH]  24.2 61.5 0 top
REF**#28  -  [NPTH]  10.4 41 0 top
REF**#29  -  [NPTH]  11.4 61.5 0 top
REF**#30  -  [NPTH]  7 51.75 0 top
REF**#31  -  [NPTH]  62.6 41 0 top
REF**#32  -  [NPTH]  24.2 41 0 top
REF**#33  -  [NPTH]  42.4 9.75 0 top
REF**#34  -  [NPTH]  42.4 29.25 0 top
REF**#35  -  [NPTH]  29.6 69.25 0 top
REF**#36  -  [NPTH]  55.2 49.75 0 top
REF**#37  -  [NPTH]  32.6 8.75 0 top
REF**#38  -  [NPTH]  16.8 50.75 0 top
REF**#39  -  [NPTH]  16.8 7.75 0 top
REF**#40  -  [NPTH]  45.4 50.75 0 top
REF**#41  -  [NPTH]  16.8 29.25 0 top
REF**#42  -  [NPTH]  29.6 49.75 0 top
REF**#43  -  [NPTH]  26.2 61.5 0 top
REF**#44  -  [NPTH]  68 8.75 0 top
REF**#45  -  [NPTH]  7 9.75 0 top
REF**#46  -  [NPTH]  68 7.75 0 top
REF**#47  -  [NPTH]  13.4 18.5 0 top
REF**#48  -  [NPTH]  24.2 18.5 0 top
REF**#49  -  [NPTH]  45.4 48.75 0 top
REF**#50  -  [NPTH]  32.6 72.25 0 top
REF**#51  -  [NPTH]  45.4 71.25 0 top
REF**#52  -  [NPTH]  26.2 20.5 0 top
REF**#53  -  [NPTH]  24.2 39 0 top
REF**#54  -  [NPTH]  16.8 9.75 0 top
REF**#55  -  [NPTH]  23.2 18.5 0 top
REF**#56  -  [NPTH]  58.2 30.25 0 top
REF**#57  -  [NPTH]  29.6 7.75 0 top
REF**#58  -  [NPTH]  7 29.25 0 top
REF**#59  -  [NPTH]  45.4 9.75 0 top
REF**#60  -  [NPTH]  55.2 48.75 0 top
REF**#61  -  [NPTH]  32.6 69.25 0 top
REF**#62  -  [NPTH]  26.2 59.5 0 top
REF**#63  -  [NPTH]  45.4 10.75 0 top
REF**#64  -  [NPTH]  36 20.5 0 top
REF**#65  -  [NPTH]  7 69.25 0 top
REF**#66  -  [NPTH]  32.6 50.75 0 top
REF**#67  -  [NPTH]  68 9.75 0 top
REF**#68  -  [NPTH]  16.8 51.75 0 top
REF**#69  -  [NPTH]  39 59.5 0 top
REF**#70  -  [NPTH]  7 31.25 0 top
REF**#71  -  [NPTH]  63.6 59.5 0 top
REF**#72  -  [NPTH]  16.8 71.25 0 top
REF**#73  -  [NPTH]  16.8 31.25 0 top
REF**#74  -  [NPTH]  45.4 70.25 0 top
REF**#75  -  [NPTH]  55.2 30.25 0 top
REF**#76  -  [NPTH]  48.8 18.5 0 top
REF**#77  -  [NPTH]  49.8 59.5 0 top
REF**#78  -  [NPTH]  16.8 30.25 0 top
REF**#79  -  [NPTH]  37 61.5 0 top
REF**#80  -  [NPTH]  37 59.5 0 top
REF**#81  -  [NPTH]  45.4 49.75 0 top
REF**#82  -  [NPTH]  16.8 48.75 0 top
REF**#83  -  [NPTH]  11.4 39 0 top
REF**#84  -  [NPTH]  24.2 20.5 0 top
REF**#85  -  [NPTH]  48.8 20.5 0 top
REF**#86  -  [NPTH]  16.8 8.75 0 top
REF**#87  -  [NPTH]  10.4 20.5 0 top
REF**#88  -  [NPTH]  10.4 59.5 0 top
REF**#89  -  [NPTH]  58.2 51.75 0 top
REF**#90  -  [NPTH]  58.2 71.25 0 top
REF**#91  -  [NPTH]  16.8 10.75 0 top
REF**#92  -  [NPTH]  48.8 61.5 0 top
REF**#93  -  [NPTH]  19.8 71.25 0 top
REF**#94  -  [NPTH]  7 48.75 0 top
REF**#95  -  [NPTH]  50.8 61.5 0 top
REF**#96  -  [NPTH]  36 41 0 top
REF**#97  -  [NPTH]  13.4 61.5 0 top
REF**#98  -  [NPTH]  68 28.25 0 top
REF**#99  -  [NPTH]  62.6 59.5 0 top
REF**#100  -  [NPTH]  58.2 70.25 0 top
REF**#101  -  [NPTH]  11.4 41 0 top
REF**#102  -  [NPTH]  19.8 29.25 0 top
REF**#103  -  [NPTH]  10.4 61.5 0 top
REF**#104  -  [NPTH]  55.2 8.75 0 top
REF**#105  -  [NPTH]  50.8 18.5 0 top
REF**#106  -  [NPTH]  63.6 18.5 0 top
REF**#107  -  [NPTH]  29.6 30.25 0 top
REF**#108  -  [NPTH]  68 31.25 0 top
REF**#109  -  [NPTH]  45.4 51.75 0 top
REF**#110  -  [NPTH]  48.8 41 0 top
REF**#111  -  [NPTH]  32.6 9.75 0 top
REF**#112  -  [NPTH]  51.8 18.5 0 top
REF**#113  -  [NPTH]  42.4 72.25 0 top
REF**#114  -  [NPTH]  68 51.75 0 top
REF**#115  -  [NPTH]  38 61.5 0 top
REF**#116  -  [NPTH]  19.8 49.75 0 top
REF**#117  -  [NPTH]  19.8 50.75 0 top
REF**#118  -  [NPTH]  49.8 61.5 0 top
REF**#119  -  [NPTH]  63.6 39 0 top
REF**#120  -  [NPTH]  12.4 59.5 0 top
REF**#121  -  [NPTH]  39 20.5 0 top
REF**#122  -  [NPTH]  37 39 0 top
REF**#123  -  [NPTH]  19.8 69.25 0 top
REF**#124  -  [NPTH]  42.4 30.25 0 top
REF**#125  -  [NPTH]  61.6 20.5 0 top
REF**#126  -  [NPTH]  55.2 10.75 0 top
REF**#127  -  [NPTH]  45.4 28.25 0 top
REF**#128  -  [NPTH]  58.2 72.25 0 top
REF**#129  -  [NPTH]  68 48.75 0 top
REF**#130  -  [NPTH]  61.6 39 0 top
REF**#131  -  [NPTH]  25.2 18.5 0 top
REF**#132  -  [NPTH]  19.8 72.25 0 top
REF**#133  -  [NPTH]  38 20.5 0 top
REF**#134  -  [NPTH]  50.8 39 0 top
REF**#135  -  [NPTH]  11.4 20.5 0 top
REF**#136  -  [NPTH]  7 10.75 0 top
REF**#137  -  [NPTH]  32.6 70.25 0 top
REF**#138  -  [NPTH]  68 72.25 0 top
REF**#139  -  [NPTH]  13.4 59.5 0 top
REF**#140  -  [NPTH]  29.6 72.25 0 top
REF**#141  -  [NPTH]  23.2 59.5 0 top
REF**#142  -  [NPTH]  13.4 20.5 0 top
REF**#143  -  [NPTH]  12.4 41 0 top
REF**#144  -  [NPTH]  61.6 61.5 0 top
REF**#145  -  [NPTH]  63.6 61.5 0 top
REF**#146  -  [NPTH]  16.8 69.25 0 top
REF**#147  -  [NPTH]  32.6 29.25 0 top
REF**#148  -  [NPTH]  37 18.5 0 top
REF**#149  -  [NPTH]  58.2 7.75 0 top
REF**#150  -  [NPTH]  45.4 69.25 0 top
REF**#151  -  [NPTH]  63.6 41 0 top
REF**#152  -  [NPTH]  55.2 50.75 0 top
REF**#153  -  [NPTH]  29.6 10.75 0 top
REF**#154  -  [NPTH]  49.8 20.5 0 top
REF**#155  -  [NPTH]  26.2 39 0 top
REF**#156  -  [NPTH]  42.4 28.25 0 top
REF**#157  -  [NPTH]  42.4 71.25 0 top
REF**#158  -  [NPTH]  51.8 59.5 0 top
REF**#159  -  [NPTH]  68 70.25 0 top
REF**#160  -  [NPTH]  42.4 31.25 0 top
REF**#161  -  [NPTH]  16.8 28.25 0 top
REF**#162  -  [NPTH]  13.4 41 0 top
REF**#163  -  [NPTH]  64.6 59.5 0 top
REF**#164  -  [NPTH]  58.2 29.25 0 top
REF**#165  -  [NPTH]  16.8 72.25 0 top
REF**#166  -  [NPTH]  39 18.5 0 top
REF**#167  -  [NPTH]  13.4 39 0 top
REF**#168  -  [NPTH]  58.2 69.25 0 top
REF**#169  -  [NPTH]  36 61.5 0 top
